# KiCad board DIP8breakout+potToUSB.kicad_pcb (continued)
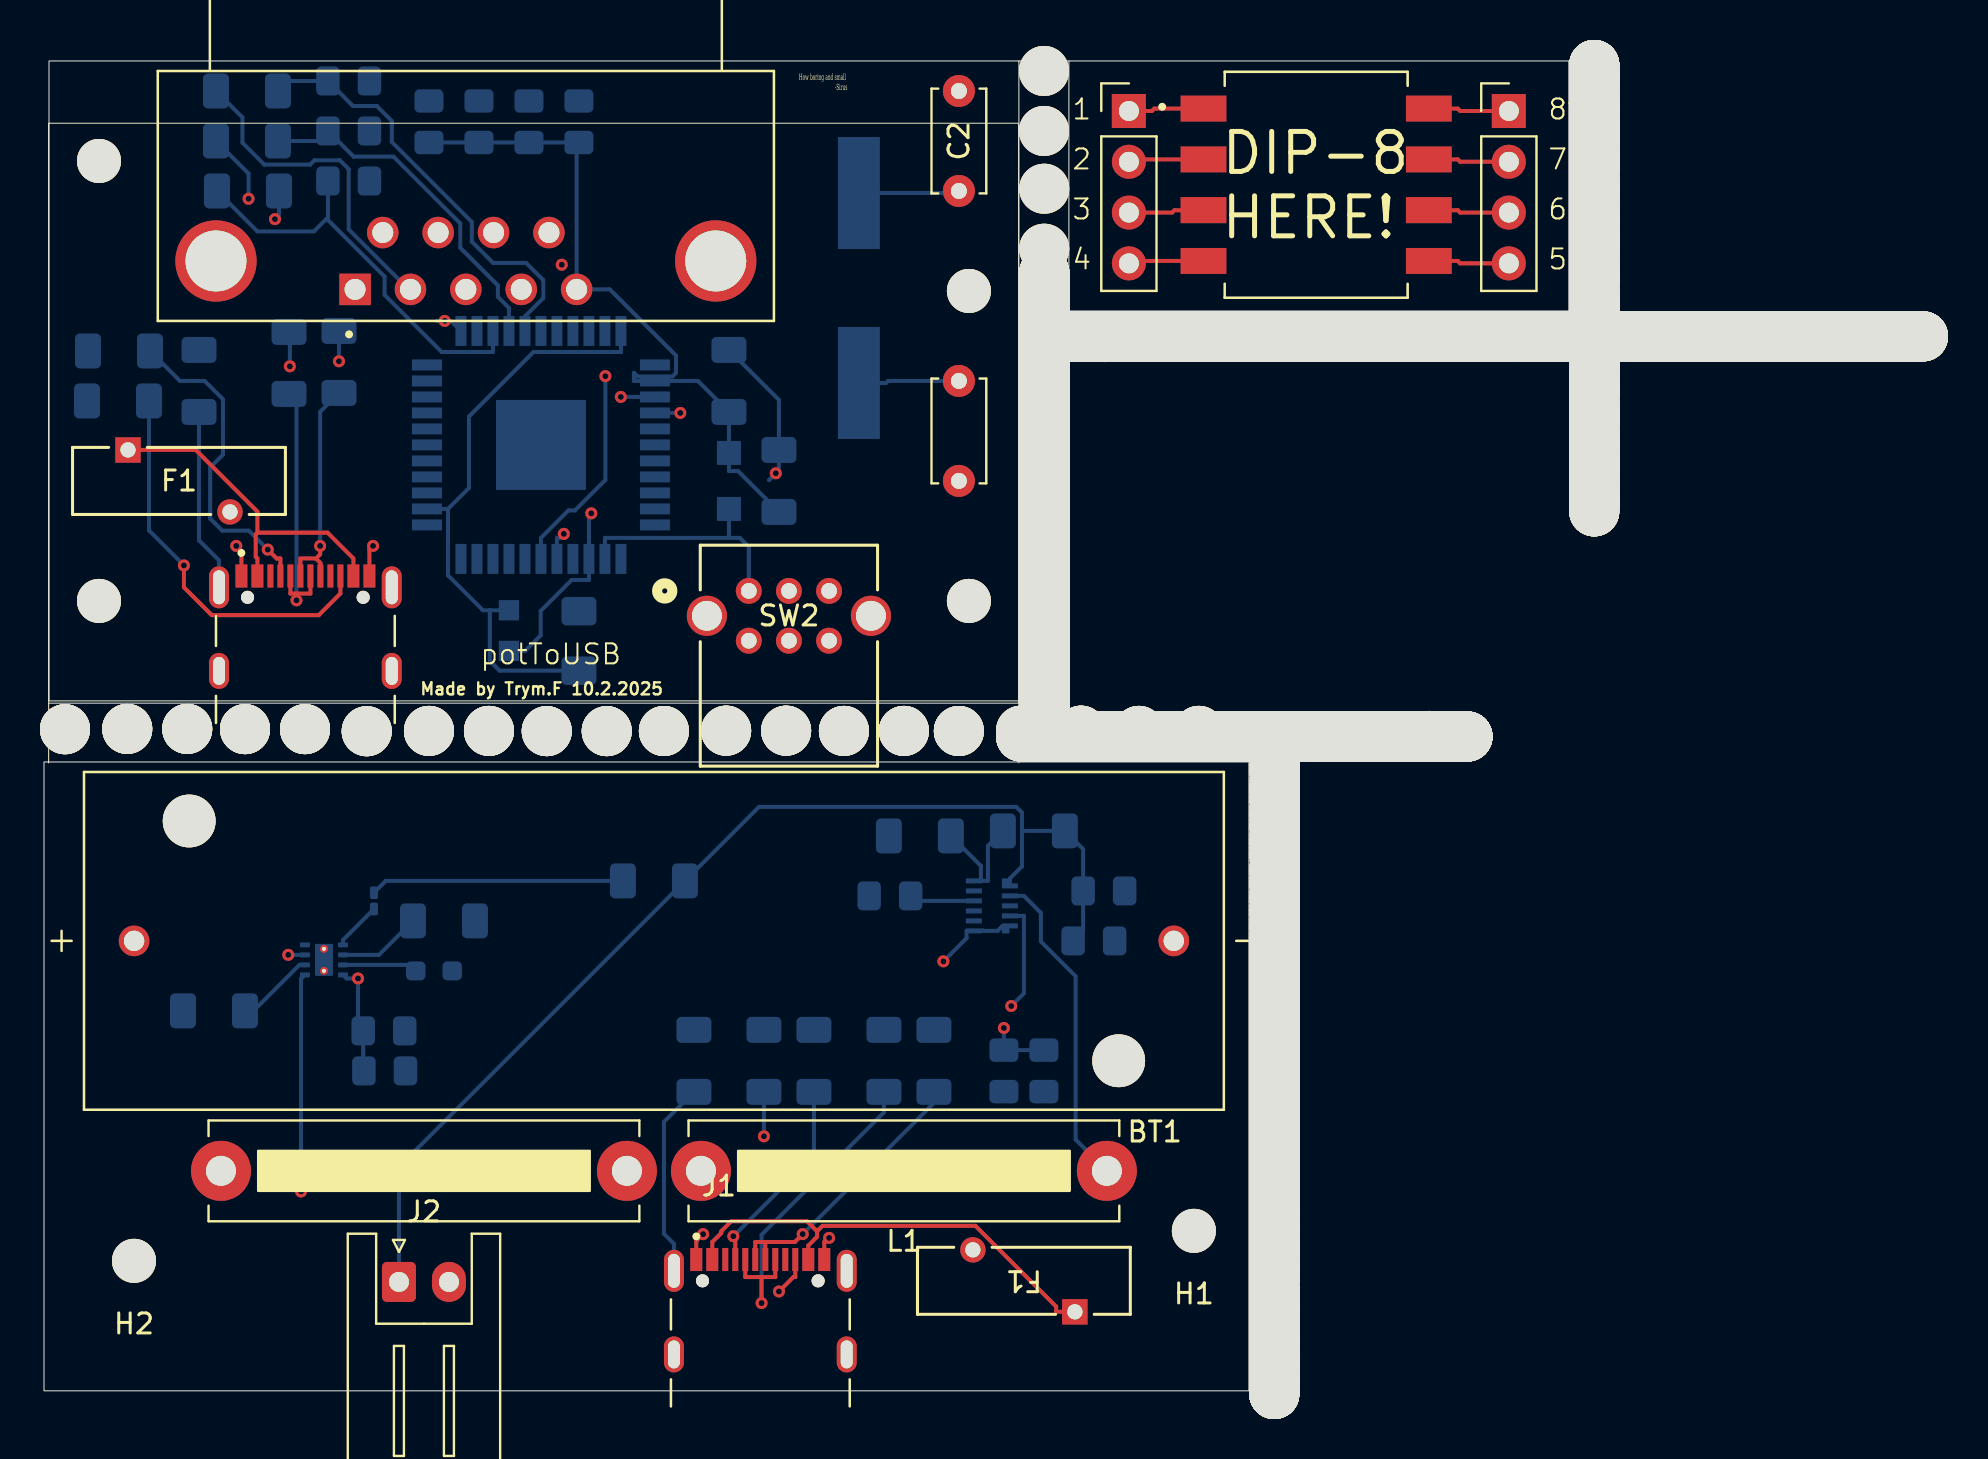
[diagram p0: board, top side]
## Placement (name value [footprint] x y rotation side) (continued)
H10#1803  MountingHole  [MountingHole_2.5mm]  84.5 52.73 270 bottom
H10#1804  MountingHole  [MountingHole_2.5mm]  77.52 54.18 180 bottom
H10#1805  MountingHole  [MountingHole_2.5mm]  85.86 52.73 270 bottom
H10#1806  MountingHole  [MountingHole_2.5mm]  50.02 50.07 180 bottom
H10#1807  MountingHole  [MountingHole_2.5mm]  61.52 6.34 0 bottom
H10#1808  MountingHole  [MountingHole_2.5mm]  61.52 14.72 0 bottom
H10#1809  MountingHole  [MountingHole_2.5mm]  50.02 46.65 180 bottom
H10#1810  MountingHole  [MountingHole_2.5mm]  77.52 60.46 180 bottom
H10#1811  MountingHole  [MountingHole_2.5mm]  77.52 46.94 180 bottom
H10#1812  MountingHole  [MountingHole_2.5mm]  60.12 32.72 90 bottom
H10#1813  MountingHole  [MountingHole_2.5mm]  61.52 15.46 0 bottom
H10#1814  MountingHole  [MountingHole_2.5mm]  63.48 32.72 90 bottom
H10#1815  MountingHole  [MountingHole_2.5mm]  77.52 48.74 180 bottom
H10#1816  MountingHole  [MountingHole_2.5mm]  57.62 52.73 270 bottom
H10#1817  MountingHole  [MountingHole_2.5mm]  62.38 32.72 90 bottom
H10#1818  MountingHole  [MountingHole_2.5mm]  82.1 52.73 270 bottom
H10#1819  MountingHole  [MountingHole_2.5mm]  61.55 25.89 180 bottom
H10#1820  MountingHole  [MountingHole_2.5mm]  55.48 52.73 270 bottom
H10#1821  MountingHole  [MountingHole_2.5mm]  69.82 52.73 270 bottom
H10#1822  MountingHole  [MountingHole_2.5mm]  61.55 28.77 180 bottom
H10#1823  MountingHole  [MountingHole_2.5mm]  61.52 13.36 0 bottom
J1  UJ20-C-H-G-SMT-1-P16-TR  [SAMESKY_UJ20-C-H-G-SMT-1-P16-TR]  35.82 -0.78 0 top
J1#2  Conn_01x04_Pin  [PinHeader_1x04_P2.54mm_Vertical]  54.25 64 0 top
J2  Conn_01x04_Pin  [PinHeader_1x04_P2.54mm_Vertical]  73.25 64 0 top
J2#2  A-DF_09_A_KG-T4S  [ASSMANN_A-DF_09_A_KG-T4S]  15.56 55.08 180 top
J2#3  Conn_01x02  [JST_XH_S2B-XH-A_1x02_P2.50mm_Horizontal]  17.75 5.44 0 top
J3  Conn_02x04_Row_Letter_First  [OPTO_HCNR200-500E]  63.62 60.31 0 top
J3#2  UJ20-C-H-G-SMT-1-P16-TR  [SAMESKY_UJ20-C-H-G-SMT-1-P16-TR]  13.07 33.4 0 top
L1  1uH  [R_Bare_Metal_Element_L21.3mm_W4.8mm_P20.30mm]  53.15 11 180 top
NOREF  -  [unnamed]  61.55 26.91 90 top
NOREF#2  -  [unnamed]  51.32 52.73 180 top
NOREF#3  -  [unnamed]  53.42 32.72 0 top
NOREF#4  -  [unnamed]  51.98 52.73 180 top
NOREF#5  -  [unnamed]  91 52.73 180 top
NOREF#6  -  [unnamed]  69.78 32.72 0 top
NOREF#7  -  [unnamed]  67.02 32.72 0 top
NOREF#8  -  [unnamed]  50.02 48.21 90 top
NOREF#9  -  [unnamed]  61.38 32.72 0 top
NOREF#10  -  [unnamed]  61.52 15.66 270 top
NOREF#11  -  [unnamed]  60.58 52.73 180 top
NOREF#12  -  [unnamed]  91.7 52.73 180 top
NOREF#13  -  [unnamed]  61.12 52.73 180 top
NOREF#14  -  [unnamed]  90.34 52.73 180 top
NOREF#15  -  [unnamed]  65.34 32.72 0 top
NOREF#16  -  [unnamed]  56.96 52.73 180 top
NOREF#17  -  [unnamed]  50.02 44.05 90 top
NOREF#18  -  [unnamed]  58.32 32.72 0 top
NOREF#19  -  [unnamed]  68.72 32.72 0 top
NOREF#20  -  [unnamed]  92.7 52.73 180 top
NOREF#21  -  [unnamed]  62.58 52.73 180 top
NOREF#22  -  [unnamed]  61.52 0.9 270 top
NOREF#23  -  [unnamed]  68.42 52.73 180 top
NOREF#24  -  [unnamed]  77.52 55.9 90 top
NOREF#25  -  [unnamed]  50.02 44.65 90 top
NOREF#26  -  [unnamed]  77.52 46.64 90 top
NOREF#27  -  [unnamed]  67.56 32.72 0 top
NOREF#28  -  [unnamed]  61.52 7.08 270 top
NOREF#29  -  [unnamed]  85.16 52.73 180 top
NOREF#30  -  [unnamed]  61.52 14.72 270 top
NOREF#31  -  [unnamed]  77.52 46.94 90 top
NOREF#32  -  [unnamed]  77.52 64.5 90 top
NOREF#33  -  [unnamed]  61.55 21.73 90 top
NOREF#34  -  [unnamed]  50.46 32.72 0 top
NOREF#35  -  [unnamed]  52.88 32.72 0 top
NOREF#36  -  [unnamed]  61.52 21.3 270 top
NOREF#37  -  [unnamed]  50.02 35.59 90 top
NOREF#38  -  [unnamed]  77.52 53.44 90 top
NOREF#39  -  [unnamed]  68.22 32.72 0 top
NOREF#40  -  [unnamed]  61.55 17.71 90 top
NOREF#41  -  [unnamed]  61.55 17.71 90 top
NOREF#42  -  [unnamed]  84.3 52.73 180 top
NOREF#43  -  [unnamed]  66.82 32.72 0 top
NOREF#44  -  [unnamed]  77.52 63.34 90 top
NOREF#45  -  [unnamed]  61.52 7.08 270 top
NOREF#46  -  [unnamed]  86.06 52.73 180 top
NOREF#47  -  [unnamed]  77.52 49 90 top
NOREF#48  -  [unnamed]  68.92 32.72 0 top
NOREF#49  -  [unnamed]  61.52 14.72 270 top
NOREF#50  -  [unnamed]  50.02 37.61 90 top
NOREF#51  -  [unnamed]  76.66 52.73 180 top
NOREF#52  -  [unnamed]  61.55 16.31 90 top
NOREF#53  -  [unnamed]  61.55 12.77 90 top
NOREF#54  -  [unnamed]  61.52 7.94 270 top
NOREF#55  -  [unnamed]  77.52 57.7 90 top
NOREF#56  -  [unnamed]  50.02 36.75 90 top
NOREF#57  -  [unnamed]  77.28 52.73 180 top
NOREF#58  -  [unnamed]  68.02 52.73 180 top
NOREF#59  -  [unnamed]  72.84 52.73 180 top
NOREF#60  -  [unnamed]  82.3 52.73 180 top
NOREF#61  -  [unnamed]  70.32 32.72 0 top
NOREF#62  -  [unnamed]  78.14 52.73 180 top
NOREF#63  -  [unnamed]  50.02 42.85 90 top
NOREF#64  -  [unnamed]  60.38 52.73 180 top
NOREF#65  -  [unnamed]  68.92 32.72 0 top
NOREF#66  -  [unnamed]  51.12 52.73 180 top
NOREF#67  -  [unnamed]  50.02 54.31 90 top
NOREF#68  -  [unnamed]  70.78 32.72 0 top
NOREF#69  -  [unnamed]  77.52 45.98 90 top
NOREF#70  -  [unnamed]  61.52 9.1 270 top
NOREF#71  -  [unnamed]  61.55 24.69 90 top
NOREF#72  -  [unnamed]  61.52 19 270 top
NOREF#73  -  [unnamed]  54.28 52.73 180 top
NOREF#74  -  [unnamed]  92.9 52.73 180 top
NOREF#75  -  [unnamed]  61.55 21.07 90 top
NOREF#76  -  [unnamed]  70.58 32.72 0 top
NOREF#77  -  [unnamed]  62.58 52.73 180 top
NOREF#78  -  [unnamed]  50.02 40.83 90 top
NOREF#79  -  [unnamed]  50.02 43.79 90 top
NOREF#80  -  [unnamed]  81.64 52.73 180 top
NOREF#81  -  [unnamed]  50.02 34.19 90 top
NOREF#82  -  [unnamed]  87.72 52.73 180 top
NOREF#83  -  [unnamed]  56.96 52.73 180 top
NOREF#84  -  [unnamed]  57.16 52.73 180 top
NOREF#85  -  [unnamed]  79.74 52.73 180 top
NOREF#86  -  [unnamed]  61.55 23.33 90 top
NOREF#87  -  [unnamed]  65.96 32.72 0 top
NOREF#88  -  [unnamed]  77.52 59.6 90 top
NOREF#89  -  [unnamed]  50.02 35.59 90 top
NOREF#90  -  [unnamed]  59.52 32.72 0 top
NOREF#91  -  [unnamed]  77.52 45.04 90 top
NOREF#92  -  [unnamed]  61.55 20.07 90 top
NOREF#93  -  [unnamed]  77.52 55.44 90 top
NOREF#94  -  [unnamed]  52.28 32.72 0 top
NOREF#95  -  [unnamed]  72.38 52.73 180 top
NOREF#96  -  [unnamed]  60.72 32.72 0 top
NOREF#97  -  [unnamed]  77.52 44.84 90 top
NOREF#98  -  [unnamed]  50.02 42.59 90 top
NOREF#99  -  [unnamed]  68.72 32.72 0 top
NOREF#100  -  [unnamed]  61.55 11.41 90 top
NOREF#101  -  [unnamed]  77.94 52.73 180 top
NOREF#102  -  [unnamed]  61.55 23.13 90 top
NOREF#103  -  [unnamed]  61.55 16.31 90 top
NOREF#104  -  [unnamed]  71.44 52.73 180 top
NOREF#105  -  [unnamed]  61.52 16.12 270 top
NOREF#106  -  [unnamed]  61.55 28.57 90 top
NOREF#107  -  [unnamed]  61.55 15.03 90 top
NOREF#108  -  [unnamed]  61.52 9.1 270 top
NOREF#109  -  [unnamed]  61.52 17.6 270 top
NOREF#110  -  [unnamed]  61.52 7.94 270 top
NOREF#111  -  [unnamed]  77.52 63.64 90 top
NOREF#112  -  [unnamed]  77.52 65.44 90 top
NOREF#113  -  [unnamed]  70.28 52.73 180 top
NOREF#114  -  [unnamed]  61.55 31.33 90 top
NOREF#115  -  [unnamed]  69.62 52.73 180 top
NOREF#116  -  [unnamed]  61.55 20.47 90 top
NOREF#117  -  [unnamed]  61.52 3 270 top
NOREF#118  -  [unnamed]  56.76 52.73 180 top
NOREF#119  -  [unnamed]  93.36 52.73 180 top
NOREF#120  -  [unnamed]  50.02 55.31 90 top
NOREF#121  -  [unnamed]  51.32 32.72 0 top
NOREF#122  -  [unnamed]  50.02 49.87 90 top
NOREF#123  -  [unnamed]  73.9 52.73 180 top
NOREF#124  -  [unnamed]  50.02 41.03 90 top
NOREF#125  -  [unnamed]  60.32 32.72 0 top
NOREF#126  -  [unnamed]  61.52 13.56 270 top
NOREF#127  -  [unnamed]  61.52 7.28 270 top
NOREF#128  -  [unnamed]  71.18 52.73 180 top
NOREF#129  -  [unnamed]  61.52 17.8 270 top
NOREF#130  -  [unnamed]  61.52 18.34 270 top
NOREF#131  -  [unnamed]  72.5 52.73 180 top
NOREF#132  -  [unnamed]  50.02 36.55 90 top
NOREF#133  -  [unnamed]  77.52 61.74 90 top
NOREF#134  -  [unnamed]  61.55 18.61 90 top
NOREF#135  -  [unnamed]  83.76 52.73 180 top
NOREF#136  -  [unnamed]  50.02 38.81 90 top
NOREF#137  -  [unnamed]  61.55 22.47 90 top
NOREF#138  -  [unnamed]  77.52 45.78 90 top
NOREF#139  -  [unnamed]  68.42 32.72 0 top
NOREF#140  -  [unnamed]  76.86 52.73 180 top
NOREF#141  -  [unnamed]  67.36 32.72 0 top
NOREF#142  -  [unnamed]  61.55 21.93 90 top
NOREF#143  -  [unnamed]  61.55 16.11 90 top
NOREF#144  -  [unnamed]  52.02 32.72 0 top
NOREF#145  -  [unnamed]  51.82 32.72 0 top
NOREF#146  -  [unnamed]  61.55 31.07 90 top
NOREF#147  -  [unnamed]  77.52 63.34 90 top
NOREF#148  -  [unnamed]  50.02 55.51 90 top
NOREF#149  -  [unnamed]  61.12 52.73 180 top
NOREF#150  -  [unnamed]  61.52 12.16 270 top
NOREF#151  -  [unnamed]  66.74 52.73 180 top
NOREF#152  -  [unnamed]  50.02 41.03 90 top
NOREF#153  -  [unnamed]  50.02 39.63 90 top
NOREF#154  -  [unnamed]  77.52 55.64 90 top
NOREF#155  -  [unnamed]  61.55 20.47 90 top
NOREF#156  -  [unnamed]  50.02 46.11 90 top
NOREF#157  -  [unnamed]  61.55 29.93 90 top
NOREF#158  -  [unnamed]  77.52 47.6 90 top
NOREF#159  -  [unnamed]  49.46 32.72 0 top
NOREF#160  -  [unnamed]  77.52 45.58 90 top
NOREF#161  -  [unnamed]  50.02 38.81 90 top
NOREF#162  -  [unnamed]  50.02 34.45 90 top
NOREF#163  -  [unnamed]  50.02 36.05 90 top
NOREF#164  -  [unnamed]  61.55 25.43 90 top
NOREF#165  -  [unnamed]  63.98 52.73 180 top
NOREF#166  -  [unnamed]  56.54 52.73 180 top
NOREF#167  -  [unnamed]  54.74 52.73 180 top
NOREF#168  -  [unnamed]  56.96 52.73 180 top
NOREF#169  -  [unnamed]  59.72 32.72 0 top
NOREF#170  -  [unnamed]  72.5 52.73 180 top
NOREF#171  -  [unnamed]  54.94 52.73 180 top
NOREF#172  -  [unnamed]  83.1 52.73 180 top
NOREF#173  -  [unnamed]  56.96 32.72 0 top
NOREF#174  -  [unnamed]  70.98 52.73 180 top
NOREF#175  -  [unnamed]  54.7 32.72 0 top
NOREF#176  -  [unnamed]  61.52 20.56 270 top
NOREF#177  -  [unnamed]  71.18 32.72 0 top
NOREF#178  -  [unnamed]  61.52 13.16 270 top
NOREF#179  -  [unnamed]  77.52 62.68 90 top
NOREF#180  -  [unnamed]  61.52 18.14 270 top
NOREF#181  -  [unnamed]  57.82 52.73 180 top
NOREF#182  -  [unnamed]  71.64 52.73 180 top
NOREF#183  -  [unnamed]  77.52 46.64 90 top
NOREF#184  -  [unnamed]  61.55 21.93 90 top
NOREF#185  -  [unnamed]  92.16 52.73 180 top
NOREF#186  -  [unnamed]  71.44 52.73 180 top
NOREF#187  -  [unnamed]  76 52.73 180 top
NOREF#188  -  [unnamed]  50.02 37.95 90 top
NOREF#189  -  [unnamed]  77.52 56.3 90 top
NOREF#190  -  [unnamed]  77.52 47.6 90 top
NOREF#191  -  [unnamed]  90.8 52.73 180 top
NOREF#192  -  [unnamed]  77.52 61.28 90 top
NOREF#193  -  [unnamed]  61.55 11.41 90 top
NOREF#194  -  [unnamed]  77.52 55.04 90 top
NOREF#195  -  [unnamed]  56.56 32.72 0 top
NOREF#196  -  [unnamed]  92.9 52.73 180 top
NOREF#197  -  [unnamed]  70.98 32.72 0 top
NOREF#198  -  [unnamed]  58.76 52.73 180 top
NOREF#199  -  [unnamed]  70.98 32.72 0 top
NOREF#200  -  [unnamed]  50.02 45.91 90 top
NOREF#201  -  [unnamed]  61.55 12.57 90 top
NOREF#202  -  [unnamed]  77.52 52.78 90 top
NOREF#203  -  [unnamed]  68.62 52.73 180 top
NOREF#204  -  [unnamed]  77.52 52.08 90 top
NOREF#205  -  [unnamed]  50.02 50.07 90 top
NOREF#206  -  [unnamed]  77.52 57.7 90 top
NOREF#207  -  [unnamed]  55.56 32.72 0 top
NOREF#208  -  [unnamed]  61.52 6.54 270 top
NOREF#209  -  [unnamed]  61.52 0.7 270 top
NOREF#210  -  [unnamed]  65.54 52.73 180 top
NOREF#211  -  [unnamed]  77.52 58.86 90 top
NOREF#212  -  [unnamed]  61.52 6.54 270 top
NOREF#213  -  [unnamed]  77.52 60 90 top
NOREF#214  -  [unnamed]  66.16 32.72 0 top
NOREF#215  -  [unnamed]  76.66 52.73 180 top
NOREF#216  -  [unnamed]  61.55 31.27 90 top
NOREF#217  -  [unnamed]  50.02 38.81 90 top
NOREF#218  -  [unnamed]  77.52 51.42 90 top
NOREF#219  -  [unnamed]  77.52 62.68 90 top
NOREF#220  -  [unnamed]  61.55 14.17 90 top
NOREF#221  -  [unnamed]  50.02 54.31 90 top
NOREF#222  -  [unnamed]  61.55 11.21 90 top
NOREF#223  -  [unnamed]  80.9 52.73 180 top
NOREF#224  -  [unnamed]  61.55 24.49 90 top
NOREF#225  -  [unnamed]  49.46 32.72 0 top
NOREF#226  -  [unnamed]  61.55 27.37 90 top
NOREF#227  -  [unnamed]  49.92 32.72 0 top
NOREF#228  -  [unnamed]  56.76 32.72 0 top
NOREF#229  -  [unnamed]  61.55 14.17 90 top
NOREF#230  -  [unnamed]  61.55 18.87 90 top
NOREF#231  -  [unnamed]  56.1 32.72 0 top
NOREF#232  -  [unnamed]  61.52 14.06 270 top
NOREF#233  -  [unnamed]  61.55 19.81 90 top
NOREF#234  -  [unnamed]  61.52 13.36 270 top
NOREF#235  -  [unnamed]  61.55 26.91 90 top
NOREF#236  -  [unnamed]  59.92 52.73 180 top
NOREF#237  -  [unnamed]  79.08 52.73 180 top
NOREF#238  -  [unnamed]  60.98 32.72 0 top
NOREF#239  -  [unnamed]  61.55 29.47 90 top
NOREF#240  -  [unnamed]  77.52 50.48 90 top
NOREF#241  -  [unnamed]  61.52 4.86 270 top
NOREF#242  -  [unnamed]  66.42 32.72 0 top
NOREF#243  -  [unnamed]  89.4 52.73 180 top
NOREF#244  -  [unnamed]  58.52 32.72 0 top
NOREF#245  -  [unnamed]  50.02 47.11 90 top
NOREF#246  -  [unnamed]  66.82 32.72 0 top
NOREF#247  -  [unnamed]  69.08 52.73 180 top
NOREF#248  -  [unnamed]  71.44 52.73 180 top
NOREF#249  -  [unnamed]  81.64 52.73 180 top
NOREF#250  -  [unnamed]  56.76 32.72 0 top
NOREF#251  -  [unnamed]  61.52 9.1 270 top
NOREF#252  -  [unnamed]  61.55 26.51 90 top
NOREF#253  -  [unnamed]  61.52 8.24 270 top
NOREF#254  -  [unnamed]  50.02 42.39 90 top
NOREF#255  -  [unnamed]  85.16 52.73 180 top
NOREF#256  -  [unnamed]  61.55 27.77 90 top
NOREF#257  -  [unnamed]  58.36 52.73 180 top
NOREF#258  -  [unnamed]  68.02 32.72 0 top
NOREF#259  -  [unnamed]  50.02 33.79 90 top
NOREF#260  -  [unnamed]  69.42 52.73 180 top
NOREF#261  -  [unnamed]  77.52 66.1 90 top
NOREF#262  -  [unnamed]  87.06 52.73 180 top
NOREF#263  -  [unnamed]  93.76 52.73 180 top
NOREF#264  -  [unnamed]  90.34 52.73 180 top
NOREF#265  -  [unnamed]  61.55 19.07 90 top
NOREF#266  -  [unnamed]  77.52 64.7 90 top
NOREF#267  -  [unnamed]  88.74 52.73 180 top
NOREF#268  -  [unnamed]  61.55 13.23 90 top
NOREF#269  -  [unnamed]  82.04 52.73 180 top
NOREF#270  -  [unnamed]  68.22 52.73 180 top
NOREF#271  -  [unnamed]  77.52 60.26 90 top
NOREF#272  -  [unnamed]  64.68 32.72 0 top
NOREF#273  -  [unnamed]  61.55 27.37 90 top
NOREF#274  -  [unnamed]  59.72 32.72 0 top
NOREF#275  -  [unnamed]  49.92 32.72 0 top
NOREF#276  -  [unnamed]  73.64 52.73 180 top
NOREF#277  -  [unnamed]  59.52 32.72 0 top
NOREF#278  -  [unnamed]  50.02 55.91 90 top
NOREF#279  -  [unnamed]  61.55 18.41 90 top
NOREF#280  -  [unnamed]  63.44 52.73 180 top
NOREF#281  -  [unnamed]  50.02 36.55 90 top
NOREF#282  -  [unnamed]  77.52 47.14 90 top
NOREF#283  -  [unnamed]  61.52 15.46 270 top
NOREF#284  -  [unnamed]  50.02 40.49 90 top
NOREF#285  -  [unnamed]  61.52 6.34 270 top
NOREF#286  -  [unnamed]  74.4 52.73 180 top
NOREF#287  -  [unnamed]  50.02 46.45 90 top
NOREF#288  -  [unnamed]  69.62 52.73 180 top
NOREF#289  -  [unnamed]  61.52 11.96 270 top
NOREF#290  -  [unnamed]  66.94 52.73 180 top
NOREF#291  -  [unnamed]  50.02 45.91 90 top
NOREF#292  -  [unnamed]  54.74 52.73 180 top
NOREF#293  -  [unnamed]  51.82 32.72 0 top
NOREF#294  -  [unnamed]  65.8 52.73 180 top
NOREF#295  -  [unnamed]  61.52 11.3 270 top
NOREF#296  -  [unnamed]  54.9 32.72 0 top
NOREF#297  -  [unnamed]  77.52 58.4 90 top
NOREF#298  -  [unnamed]  50.02 50.69 90 top
NOREF#299  -  [unnamed]  50.02 50.69 90 top
NOREF#300  -  [unnamed]  63.78 52.73 180 top
NOREF#301  -  [unnamed]  61.55 10.67 90 top
NOREF#302  -  [unnamed]  63.48 32.72 0 top
NOREF#303  -  [unnamed]  61.55 28.77 90 top
NOREF#304  -  [unnamed]  77.52 52.08 90 top
NOREF#305  -  [unnamed]  90.14 52.73 180 top
NOREF#306  -  [unnamed]  70.12 32.72 0 top
NOREF#307  -  [unnamed]  61.52 14.26 270 top
NOREF#308  -  [unnamed]  61.55 10.67 90 top
NOREF#309  -  [unnamed]  83.56 52.73 180 top
NOREF#310  -  [unnamed]  50.02 45.91 90 top
NOREF#311  -  [unnamed]  51.12 32.72 0 top
NOREF#312  -  [unnamed]  50.02 44.45 90 top
NOREF#313  -  [unnamed]  50.02 48.67 90 top
NOREF#314  -  [unnamed]  54.54 52.73 180 top
NOREF#315  -  [unnamed]  50.02 47.31 90 top
NOREF#316  -  [unnamed]  80.44 52.73 180 top
NOREF#317  -  [unnamed]  59.72 52.73 180 top
NOREF#318  -  [unnamed]  63.44 52.73 180 top
NOREF#319  -  [unnamed]  52.72 52.73 180 top
NOREF#320  -  [unnamed]  61.55 31.73 90 top
NOREF#321  -  [unnamed]  77.52 63.64 90 top
NOREF#322  -  [unnamed]  61.55 21.93 90 top
NOREF#323  -  [unnamed]  83.1 52.73 180 top
NOREF#324  -  [unnamed]  61.55 23.83 90 top
NOREF#325  -  [unnamed]  93.1 52.73 180 top
NOREF#326  -  [unnamed]  77.52 59.6 90 top
NOREF#327  -  [unnamed]  61.52 11.5 270 top
NOREF#328  -  [unnamed]  51.32 32.72 0 top
NOREF#329  -  [unnamed]  84.7 52.73 180 top
NOREF#330  -  [unnamed]  53.22 32.72 0 top
NOREF#331  -  [unnamed]  86.52 52.73 180 top
NOREF#332  -  [unnamed]  61.55 13.97 90 top
NOREF#333  -  [unnamed]  77.52 57.04 90 top
NOREF#334  -  [unnamed]  61.52 12.7 270 top
NOREF#335  -  [unnamed]  77.52 51.62 90 top
NOREF#336  -  [unnamed]  77.52 47.6 90 top
NOREF#337  -  [unnamed]  77.52 61.54 90 top
NOREF#338  -  [unnamed]  77.52 47.14 90 top
NOREF#339  -  [unnamed]  80.7 52.73 180 top
NOREF#340  -  [unnamed]  50.02 35.39 90 top
NOREF#341  -  [unnamed]  50.02 52.29 90 top
NOREF#342  -  [unnamed]  61.52 8.44 270 top
NOREF#343  -  [unnamed]  50.02 37.41 90 top
NOREF#344  -  [unnamed]  77.52 48.74 90 top
NOREF#345  -  [unnamed]  77.52 53.24 90 top
NOREF#346  -  [unnamed]  61.52 21.1 270 top
NOREF#347  -  [unnamed]  61.55 17.91 90 top
NOREF#348  -  [unnamed]  58.52 32.72 0 top
NOREF#349  -  [unnamed]  50.02 43.79 90 top
NOREF#350  -  [unnamed]  63.74 32.72 0 top
NOREF#351  -  [unnamed]  62.38 32.72 0 top
NOREF#352  -  [unnamed]  61.55 11.87 90 top
NOREF#353  -  [unnamed]  77.52 45.04 90 top
NOREF#354  -  [unnamed]  51.12 32.72 0 top
NOREF#355  -  [unnamed]  82.3 52.73 180 top
NOREF#356  -  [unnamed]  61.52 13.36 270 top
NOREF#357  -  [unnamed]  49.26 32.72 0 top
NOREF#358  -  [unnamed]  67.76 32.72 0 top
NOREF#359  -  [unnamed]  50.02 43.79 90 top
NOREF#360  -  [unnamed]  51.32 32.72 0 top
NOREF#361  -  [unnamed]  50.02 33.99 90 top
NOREF#362  -  [unnamed]  50.02 49.61 90 top
NOREF#363  -  [unnamed]  66.94 52.73 180 top
NOREF#364  -  [unnamed]  50.02 52.09 90 top
NOREF#365  -  [unnamed]  60.18 52.73 180 top
NOREF#366  -  [unnamed]  91.3 52.73 180 top
NOREF#367  -  [unnamed]  73.9 52.73 180 top
NOREF#368  -  [unnamed]  50.02 55.51 90 top
NOREF#369  -  [unnamed]  61.55 13.23 90 top
NOREF#370  -  [unnamed]  71.18 32.72 0 top
NOREF#371  -  [unnamed]  49.26 32.72 0 top
NOREF#372  -  [unnamed]  61.55 10.87 90 top
NOREF#373  -  [unnamed]  61.55 25.43 90 top
NOREF#374  -  [unnamed]  61.52 0.9 270 top
NOREF#375  -  [unnamed]  61.52 18.34 270 top
NOREF#376  -  [unnamed]  87.26 52.73 180 top
NOREF#377  -  [unnamed]  61.55 31.33 90 top
NOREF#378  -  [unnamed]  50.02 41.69 90 top
NOREF#379  -  [unnamed]  58.36 52.73 180 top
NOREF#380  -  [unnamed]  86.72 52.73 180 top
NOREF#381  -  [unnamed]  77.52 55.44 90 top
NOREF#382  -  [unnamed]  83.96 52.73 180 top
NOREF#383  -  [unnamed]  61.52 4.2 270 top
NOREF#384  -  [unnamed]  61.55 22.13 90 top
NOREF#385  -  [unnamed]  58.82 52.73 180 top
NOREF#386  -  [unnamed]  51.32 52.73 180 top
NOREF#387  -  [unnamed]  56.14 52.73 180 top
NOREF#388  -  [unnamed]  63.28 32.72 0 top
NOREF#389  -  [unnamed]  61.55 16.31 90 top
NOREF#390  -  [unnamed]  63.98 52.73 180 top
NOREF#391  -  [unnamed]  61.52 5.48 270 top
NOREF#392  -  [unnamed]  50.02 50.89 90 top
NOREF#393  -  [unnamed]  61.52 18.34 270 top
NOREF#394  -  [unnamed]  91.3 52.73 180 top
NOREF#395  -  [unnamed]  64.48 32.72 0 top
NOREF#396  -  [unnamed]  73.24 52.73 180 top
NOREF#397  -  [unnamed]  77.52 48.34 90 top
NOREF#398  -  [unnamed]  59.06 32.72 0 top
NOREF#399  -  [unnamed]  84.5 52.73 180 top
NOREF#400  -  [unnamed]  77.52 55.64 90 top
NOREF#401  -  [unnamed]  61.52 2.3 270 top
NOREF#402  -  [unnamed]  61.55 29.67 90 top
NOREF#403  -  [unnamed]  52.22 32.72 0 top
NOREF#404  -  [unnamed]  64.48 32.72 0 top
NOREF#405  -  [unnamed]  89.4 52.73 180 top
NOREF#406  -  [unnamed]  61.55 27.11 90 top
NOREF#407  -  [unnamed]  77.52 56.84 90 top
NOREF#408  -  [unnamed]  56.76 32.72 0 top
NOREF#409  -  [unnamed]  50.02 41.49 90 top
NOREF#410  -  [unnamed]  77.52 50.02 90 top
NOREF#411  -  [unnamed]  50.02 39.63 90 top
NOREF#412  -  [unnamed]  68.02 32.72 0 top
NOREF#413  -  [unnamed]  74.6 52.73 180 top
NOREF#414  -  [unnamed]  68.02 32.72 0 top
NOREF#415  -  [unnamed]  66.62 32.72 0 top
NOREF#416  -  [unnamed]  61.55 14.63 90 top
NOREF#417  -  [unnamed]  50.02 33.79 90 top
NOREF#418  -  [unnamed]  72.58 52.73 180 top
NOREF#419  -  [unnamed]  62.58 32.72 0 top
NOREF#420  -  [unnamed]  50.02 42.19 90 top
NOREF#421  -  [unnamed]  77.52 61.08 90 top
NOREF#422  -  [unnamed]  61.55 14.17 90 top
NOREF#423  -  [unnamed]  61.52 0.7 270 top
NOREF#424  -  [unnamed]  77.48 52.73 180 top
NOREF#425  -  [unnamed]  61.55 19.81 90 top
NOREF#426  -  [unnamed]  68.42 52.73 180 top
NOREF#427  -  [unnamed]  76.86 52.73 180 top
NOREF#428  -  [unnamed]  87.92 52.73 180 top
NOREF#429  -  [unnamed]  56.76 32.72 0 top
NOREF#430  -  [unnamed]  77.52 53.24 90 top
NOREF#431  -  [unnamed]  74.3 52.73 180 top
NOREF#432  -  [unnamed]  61.52 32.72 0 top
NOREF#433  -  [unnamed]  66.2 52.73 180 top
NOREF#434  -  [unnamed]  52.02 32.72 0 top
NOREF#435  -  [unnamed]  55.48 52.73 180 top
NOREF#436  -  [unnamed]  58.32 32.72 0 top
NOREF#437  -  [unnamed]  70.12 32.72 0 top
NOREF#438  -  [unnamed]  70.32 32.72 0 top
NOREF#439  -  [unnamed]  61.52 18.54 270 top
NOREF#440  -  [unnamed]  77.52 47.8 90 top
NOREF#441  -  [unnamed]  61.55 15.65 90 top
NOREF#442  -  [unnamed]  68.02 32.72 0 top
NOREF#443  -  [unnamed]  77.52 47.8 90 top
NOREF#444  -  [unnamed]  61.55 25.89 90 top
NOREF#445  -  [unnamed]  68.92 32.72 0 top
NOREF#446  -  [unnamed]  61.52 8.9 270 top
NOREF#447  -  [unnamed]  61.38 32.72 0 top
NOREF#448  -  [unnamed]  54.9 32.72 0 top
NOREF#449  -  [unnamed]  92.16 52.73 180 top
NOREF#450  -  [unnamed]  52.72 52.73 180 top
NOREF#451  -  [unnamed]  61.55 31.73 90 top
NOREF#452  -  [unnamed]  61.52 19.2 270 top
NOREF#453  -  [unnamed]  61.52 21.1 270 top
NOREF#454  -  [unnamed]  50.02 54.11 90 top
NOREF#455  -  [unnamed]  77.52 63.54 90 top
NOREF#456  -  [unnamed]  65.54 52.73 180 top
NOREF#457  -  [unnamed]  50.02 51.55 90 top
NOREF#458  -  [unnamed]  66.36 32.72 0 top
NOREF#459  -  [unnamed]  50.02 46.11 90 top
NOREF#460  -  [unnamed]  61.55 24.49 90 top
NOREF#461  -  [unnamed]  61.55 9.81 90 top
NOREF#462  -  [unnamed]  61.52 15.66 270 top
NOREF#463  -  [unnamed]  66.16 32.72 0 top
NOREF#464  -  [unnamed]  65.8 52.73 180 top
NOREF#465  -  [unnamed]  72.58 52.73 180 top
NOREF#466  -  [unnamed]  50.02 42.19 90 top
NOREF#467  -  [unnamed]  59.26 32.72 0 top
NOREF#468  -  [unnamed]  50.02 40.29 90 top
NOREF#469  -  [unnamed]  50.02 37.61 90 top
NOREF#470  -  [unnamed]  77.52 55.44 90 top
NOREF#471  -  [unnamed]  77.52 50.48 90 top
NOREF#472  -  [unnamed]  54.08 32.72 0 top
NOREF#473  -  [unnamed]  53.18 52.73 180 top
NOREF#474  -  [unnamed]  67.6 52.73 180 top
NOREF#475  -  [unnamed]  50.02 52.95 90 top
NOREF#476  -  [unnamed]  86.92 52.73 180 top
NOREF#477  -  [unnamed]  51.52 32.72 0 top
NOREF#478  -  [unnamed]  49.46 32.72 0 top
NOREF#479  -  [unnamed]  50.02 54.85 90 top
NOREF#480  -  [unnamed]  60.38 52.73 180 top
NOREF#481  -  [unnamed]  61.52 21.96 270 top
NOREF#482  -  [unnamed]  83.1 52.73 180 top
NOREF#483  -  [unnamed]  64.48 32.72 0 top
NOREF#484  -  [unnamed]  50.02 44.65 90 top
NOREF#485  -  [unnamed]  56.3 32.72 0 top
NOREF#486  -  [unnamed]  61.55 12.57 90 top
NOREF#487  -  [unnamed]  56.3 32.72 0 top
NOREF#488  -  [unnamed]  61.52 19.2 270 top
NOREF#489  -  [unnamed]  61.52 0.7 270 top
NOREF#490  -  [unnamed]  50.86 32.72 0 top
NOREF#491  -  [unnamed]  54.5 32.72 0 top
NOREF#492  -  [unnamed]  77.52 53.24 90 top
NOREF#493  -  [unnamed]  61.52 13.56 270 top
NOREF#494  -  [unnamed]  61.55 30.87 90 top
NOREF#495  -  [unnamed]  85.36 52.73 180 top
NOREF#496  -  [unnamed]  50.02 35.39 90 top
NOREF#497  -  [unnamed]  61.52 7.74 270 top
NOREF#498  -  [unnamed]  61.52 5.68 270 top
NOREF#499  -  [unnamed]  61.38 32.72 0 top
NOREF#500  -  [unnamed]  61.52 13.56 270 top
NOREF#501  -  [unnamed]  80.9 52.73 180 top
NOREF#502  -  [unnamed]  85.16 52.73 180 top
NOREF#503  -  [unnamed]  74.3 52.73 180 top
NOREF#504  -  [unnamed]  50.02 48.27 90 top
NOREF#505  -  [unnamed]  50.02 33.79 90 top
NOREF#506  -  [unnamed]  61.55 23.83 90 top
NOREF#507  -  [unnamed]  61.55 23.83 90 top
NOREF#508  -  [unnamed]  61.52 9.5 270 top
NOREF#509  -  [unnamed]  61.52 11.96 270 top
NOREF#510  -  [unnamed]  66.42 32.72 0 top
NOREF#511  -  [unnamed]  61.52 13.86 270 top
NOREF#512  -  [unnamed]  50.02 52.29 90 top
NOREF#513  -  [unnamed]  50.02 55.05 90 top
NOREF#514  -  [unnamed]  61.52 2.3 270 top
NOREF#515  -  [unnamed]  61.52 20.56 270 top
NOREF#516  -  [unnamed]  61.55 21.27 90 top
NOREF#517  -  [unnamed]  75.66 52.73 180 top
NOREF#518  -  [unnamed]  70.58 32.72 0 top
NOREF#519  -  [unnamed]  50.02 34.25 90 top
NOREF#520  -  [unnamed]  62.58 52.73 180 top
NOREF#521  -  [unnamed]  61.55 17.51 90 top
NOREF#522  -  [unnamed]  77.52 44.18 90 top
NOREF#523  -  [unnamed]  50.02 48.01 90 top
NOREF#524  -  [unnamed]  53.88 32.72 0 top
